# Allegro board PCIe3_0_X16_V1_0-166-20240802_20240828_pcb.brd (continued)
## Routing (per net, layer and track width the routed paths; a pad name or vN(x,y) marks a point on that pad's centre or on a via; arc(x,y) is an arc through that point) (continued)
FPGA_DDR4_1_CS_B: length 118.9
  TOP w0.201: R103.1 75.06,32.07 75.42,32.44 75.42,33.02 v1(74.92,33.53)
  TOP w0.229: U6.L7 v1(73.15,49.16) ; U7.L7 v1(73.15,36.58) ; U4.L7 v1(73.15,74.3) ; U5.L7 v1(73.15,86.87) ; U8.L7 v1(73.15,61.73) ; U1.K31 v1(98.32,75.23)
  ART05 w0.137: v1(74.92,33.53) 74.35,34.1 74.35,35.95 74.11,36.18 73.79,36.18 73.78,36.18 73.38,36.58 v1(73.15,36.58)
  ART05 w0.155: v1(98.32,75.23) 98.32,75.53 98.79,76 98.79,84.12 94.52,88.39 94.3,88.39 93.95,88.04 93.73,88.04 93.51,88.26 93.51,88.67 93.36,88.82 88.15,88.82 87.69,89.28 87.18,89.28 87.01,89.1 87.01,88.24 86.83,88.06 86.45,88.06 86.29,88.22 86.29,88.47 86.14,88.62 85.83,88.62 85.67,88.47 85.67,88.22 85.52,88.06 85.18,88.06 85,88.24 85,89.81 84.84,89.97 84.53,89.97 84.38,89.81 84.38,88.24 84.22,88.09 83.91,88.09 83.76,88.24 83.76,89.81 83.6,89.97 83.29,89.97 83.14,89.81 83.14,88.24 82.98,88.09 82.59,88.09 82.43,88.24 82.43,89.18 82.09,89.53 74.73,89.53 73.15,87.94 v1(73.15,86.87)
  ART12 w0.086: v1(73.15,36.58) U7.L7 73.55,43.01 75.12,44.59 75.12,45.22 75.03,45.3 74.99,45.3 74.91,45.39 74.91,45.56 74.99,45.65 75.03,45.65 75.12,45.73 75.12,45.91 75.03,45.99 74.99,45.99 74.91,46.08 74.91,46.25 74.99,46.34 75.03,46.34 75.12,46.42 75.12,47.71 74.87,47.96 74.62,47.96 74.35,48.23 74.35,48.48 74.07,48.76 73.55,48.76 v1(73.15,49.16) U6.L7 73.55,55.59 75.12,57.16 75.12,57.79 75.03,57.87 74.99,57.87 74.91,57.96 74.91,58.13 74.99,58.22 75.03,58.22 75.12,58.31 75.12,58.48 75.03,58.57 74.99,58.57 74.91,58.65 74.91,58.82 74.99,58.91 75.03,58.91 75.12,59 75.12,60.28 74.87,60.53 74.62,60.53 74.35,60.8 74.35,61.06 74.07,61.33 73.55,61.33 v1(73.15,61.73) U8.L7 73.55,68.16 75.12,69.73 75.12,70.36 75.03,70.45 74.99,70.45 74.91,70.53 74.91,70.71 74.99,70.79 75.03,70.79 75.12,70.88 75.12,71.05 75.03,71.14 74.99,71.14 74.91,71.22 74.91,71.4 74.99,71.48 75.03,71.48 75.12,71.57 75.12,72.86 74.87,73.1 74.62,73.1 74.35,73.37 74.35,73.63 74.07,73.9 73.55,73.9 v1(73.15,74.3) U4.L7 73.55,80.73 75.12,82.31 75.12,82.93 75.03,83.02 74.99,83.02 74.91,83.11 74.91,83.28 74.99,83.37 75.03,83.37 75.12,83.45 75.12,83.62 75.03,83.71 74.99,83.71 74.91,83.8 74.91,83.97 74.99,84.06 75.03,84.06 75.12,84.14 75.12,85.43 74.87,85.67 74.62,85.67 74.35,85.95 74.35,86.2 74.07,86.47 73.55,86.47 v1(73.15,86.87)
FPGA_DDR4_1_DQ0: length 23.8
  TOP w0.201: U4.G2 v1(77.15,79.1) ; U1.B27 v1(90.32,71.23)
  ART05 w0.137: v1(90.32,71.23) 90.32,71.54 89.77,72.09 89.77,72.42 89.44,72.75 88.2,72.75 88.01,72.94 88.01,73.2 88.15,73.33 88.72,73.33 88.86,73.47 88.86,73.74 88.72,73.88 88.15,73.88 88.01,74.02 88.01,74.29 88.15,74.43 89.08,74.43 89.22,74.57 89.22,74.84 89.08,74.98 88.15,74.98 88.01,75.12 88.01,76.24 84.75,79.5 77.73,79.5 77.33,79.1 v1(77.15,79.1)
FPGA_DDR4_1_DQ1: length 21
  TOP w0.201: U1.D23 v1(92.32,67.23) ; U4.F7 v1(77.95,74.3)
  ART05 w0.137: v1(92.32,67.23) 92.32,67.51 92.09,67.74 89.14,67.74 88.89,68 86.8,68 83.92,70.87 83.92,71.18 83.65,71.46 83.34,71.46 83.15,71.65 83.15,71.84 83.28,71.98 83.28,72.17 83.09,72.37 82.9,72.37 82.76,72.23 82.57,72.23 82.38,72.42 82.38,73.74 82.22,73.9 81.67,73.9 81.48,74.09 81.12,74.09 80.93,73.9 80.18,73.9 79.95,74.14 79.95,74.52 79.74,74.73 78.37,74.73 v1(77.95,74.3)
FPGA_DDR4_1_DQ2: length 23.8
  TOP w0.201: U4.H3 v1(76.35,78.3) ; U1.C26 v1(91.32,70.23)
  ART05 w0.137: v1(91.32,70.23) 91.32,70.26 90.79,70.79 90.03,70.79 89.77,71.04 89.77,71.42 89.52,71.68 88.53,71.68 87.54,72.67 87.54,75.72 86.17,77.08 85.98,77.08 85.73,76.83 85.53,76.83 85.34,77.03 85.34,77.22 85.59,77.47 85.59,77.67 85.4,77.86 85.2,77.86 84.95,77.61 84.76,77.61 84.56,77.8 84.56,78 84.81,78.25 84.81,78.44 84.56,78.7 76.75,78.7 v1(76.35,78.3)
FPGA_DDR4_1_DQ3: length 21.9
  TOP w0.201: U4.H7 v1(76.35,74.3) ; U1.B24 v1(90.32,68.23)
  ART05 w0.137: v1(76.35,74.3) 76.35,74.04 76.48,73.9 77.31,73.9 77.54,74.14 77.54,74.49 78.24,75.18 80.17,75.18 80.76,74.6 82.1,74.6 83.2,73.51 83.63,72.47 84.49,71.61 84.49,71.41 84.35,71.28 84.35,71.08 84.55,70.89 84.74,70.89 84.88,71.02 85.07,71.02 85.26,70.83 85.26,70.64 85.13,70.5 85.13,70.31 85.32,70.11 85.52,70.11 85.65,70.25 85.85,70.25 86.04,70.05 86.04,69.86 85.9,69.72 85.9,69.53 86.1,69.34 86.29,69.34 86.43,69.47 86.62,69.47 86.82,69.28 86.82,69.08 86.68,68.95 86.68,68.75 86.87,68.56 87.07,68.56 87.2,68.7 87.4,68.7 87.64,68.45 89.06,68.45 89.29,68.23 v1(90.32,68.23)
FPGA_DDR4_1_DQ4: length 23.7
  TOP w0.201: U1.C27 v1(91.32,71.23) ; U4.H2 v1(76.35,79.1)
  ART05 w0.137: v1(91.32,71.23) 91.64,71.23 91.86,71.45 91.86,73.56 91.65,73.76 89.86,73.76 89.72,73.9 89.72,75.13 84.54,80.31 82.41,80.31 82.38,80.34 77.93,80.34 77.72,80.25 77.6,80.13 77.54,80 77.54,79.81 77.49,79.68 77.36,79.55 77.24,79.5 76.94,79.5 76.69,79.33 v1(76.35,79.1)
FPGA_DDR4_1_DQ5: length 21.7
  TOP w0.201: U4.H8 v1(76.35,73.5) ; U1.C23 v1(91.32,67.23)
  ART05 w0.137: v1(76.35,73.5) 76.75,73.1 76.75,71.83 77,71.58 77.5,71.58 77.64,71.71 77.64,72.02 77.77,72.16 78.05,72.16 78.19,72.02 78.19,71.71 78.32,71.58 80.99,71.58 81.13,71.43 81.33,71.43 81.55,71.66 81.74,71.66 81.94,71.46 81.94,71.27 81.71,71.04 81.71,70.85 85.58,66.98 88.89,66.98 89.14,66.73 90.82,66.73 v1(91.32,67.23)
FPGA_DDR4_1_DQ6: length 23.8
  TOP w0.127: U1.B26 v1(90.32,70.23)
  TOP w0.201: U4.J3 v1(74.75,78.3)
  ART05 w0.137: v1(74.75,78.3) 75.35,77.7 75.77,77.7 75.97,77.9 83.42,77.9 84.97,76.35 86.22,76.35 87.11,75.46 87.11,73.76 86.97,73.62 86.28,73.62 86.14,73.48 86.14,73.21 86.28,73.07 86.97,73.07 87.11,72.93 87.11,72.39 88.77,70.73 89.71,70.73 90.21,70.23 v1(90.32,70.23)
FPGA_DDR4_1_DQ7: length 21.4
  TOP w0.127: U1.C24 v1(91.32,68.23)
  TOP w0.201: U4.J7 v1(74.75,74.3)
  ART05 w0.137: v1(74.75,74.3) 75.88,74.64 76.16,74.7 76.54,74.7 77.63,75.15 78.12,75.64 81.73,75.64 82.32,75.4 83.53,74.19 83.8,73.54 84.12,72.76 87.97,68.91 88.95,68.91 89.39,68.73 90.28,68.73 91.06,68.4 v1(91.32,68.23)
FPGA_DDR4_1_DQ8: length 21.9
  TOP w0.201: U4.A3 v1(81.95,78.3) ; U1.E26 v1(93.32,70.23)
  ART03 w0.137: v1(81.95,78.3) 82.85,78.3 83.53,77.62 83.72,77.62 83.96,77.86 84.15,77.86 84.35,77.66 84.35,77.47 84.11,77.23 84.11,77.04 84.31,76.84 84.5,76.84 84.74,77.08 84.93,77.08 85.12,76.89 85.12,76.69 84.89,76.45 84.89,76.26 85.08,76.07 85.28,76.07 85.51,76.3 85.71,76.3 85.9,76.11 85.9,75.92 85.66,75.68 85.66,75.48 85.86,75.29 86.05,75.29 86.29,75.53 86.48,75.53 86.68,75.33 86.68,75.14 86.44,74.9 86.44,74.71 86.63,74.51 86.83,74.51 87.07,74.75 87.26,74.75 87.45,74.56 87.45,74.36 87.22,74.13 87.22,73.93 87.41,73.74 87.6,73.74 87.84,73.98 88.04,73.98 88.23,73.78 88.23,73.59 87.97,73.32 87.97,73.13 88.4,72.69 89.52,72.69 89.9,72.31 89.9,71.93 90.16,71.68 91.55,71.68 91.81,71.42 91.81,71.04 92.06,70.79 92.57,70.79 93.13,70.23 v1(93.32,70.23)
FPGA_DDR4_1_DQ9: length 21.9
  TOP w0.201: U1.F24 v1(94.32,68.23) ; U4.B8 v1(81.15,73.5)
  ART03 w0.137: v1(81.15,73.5) 80.88,74.13 80.88,74.6 80.63,74.85 80.63,75.21 80.99,75.56 82.08,75.56 84.06,73.58 84.06,73.08 89.88,67.26 89.88,67.03 90.13,66.78 92.49,66.78 92.82,67.11 92.82,67.49 93.08,67.74 93.84,67.74 94.32,68.22 v1(94.32,68.23)
FPGA_DDR4_1_DQ10: length 22.2
  TOP w0.201: U1.G25 v1(95.32,69.23) ; U4.C3 v1(80.35,78.3)
  ART03 w0.137: v1(95.32,69.23) 95.27,69.23 94.85,69.65 94.22,69.65 93.84,70.03 93.84,70.54 93.58,70.79 93.08,70.79 92.82,71.04 92.82,71.42 92.57,71.68 92.19,71.68 91.81,72.06 91.81,72.44 91.55,72.69 90.16,72.69 89.77,73.08 89.77,73.46 89.32,73.91 88.74,73.91 88.41,74.23 88.41,74.43 88.67,74.68 88.67,74.87 88.47,75.06 88.28,75.06 88.03,74.81 87.83,74.81 83.95,78.7 80.92,78.7 80.52,78.3 v1(80.35,78.3)
FPGA_DDR4_1_DQ11: length 22
  TOP w0.201: U4.C7 v1(80.35,74.3) ; U1.G24 v1(95.32,68.23)
  ART03 w0.137: v1(80.35,74.3) 80.25,74.4 80.25,75.41 80.86,76.02 82.34,76.02 85.02,73.34 85.02,72.8 90.08,67.74 92.24,67.74 93.25,68.76 94.29,68.76 94.92,68.5 v1(95.32,68.23)
FPGA_DDR4_1_DQ12: length 22.6
  TOP w0.201: U1.F27 v1(94.32,71.23) ; U4.C2 v1(80.35,79.1)
  ART03 w0.137: v1(80.35,79.1) 80.35,79.28 80.75,79.68 80.75,80.1 81.11,80.47 82.13,80.47 82.61,79.98 83.1,79.98 83.24,80.12 83.24,80.48 83.37,80.62 83.65,80.62 83.79,80.48 83.79,80.12 83.92,79.98 84.85,79.98 85.54,79.29 85.54,79.1 85.32,78.89 85.32,78.69 85.52,78.5 85.71,78.5 85.93,78.71 86.12,78.71 90.1,74.73 91.55,74.73 91.81,74.47 91.81,74.09 92.19,73.71 92.57,73.71 92.82,73.46 92.82,73.08 93.2,72.69 93.46,72.69 93.84,72.31 93.84,71.68 94.29,71.23 v1(94.32,71.23)
FPGA_DDR4_1_DQ13: length 21.3
  TOP w0.201: U4.C8 v1(80.35,73.5) ; U1.E25 v1(93.32,69.23)
  ART03 w0.137: v1(93.32,69.23) 92.47,68.38 91.81,68.38 91.43,68.76 90.03,68.76 89.77,69.01 89.77,69.39 89.44,69.72 89.11,69.72 88.82,70.02 88.71,70.29 82.53,76.47 80.7,76.47 79.95,75.72 U4.C8 v1(80.35,73.5)
FPGA_DDR4_1_DQ14: length 23
  TOP w0.201: U1.E27 v1(93.32,71.23) ; U4.D3 v1(79.55,78.3)
  ART03 w0.137: v1(79.55,78.3) 79.95,78.7 80.51,78.7 80.74,78.94 80.75,78.94 80.75,79.26 80.75,79.27 80.98,79.5 80.99,79.5 80.99,79.5 82.4,79.5 82.54,79.37 82.54,79.28 82.68,79.15 82.95,79.15 83.09,79.28 83.09,79.37 83.22,79.5 83.83,79.5 85.5,77.83 85.69,77.83 85.91,78.05 86.1,78.05 86.29,77.85 86.29,77.66 86.08,77.45 86.08,77.25 86.27,77.06 86.47,77.06 86.68,77.27 86.88,77.27 87.07,77.08 87.07,76.88 86.86,76.67 86.86,76.48 87.05,76.28 87.25,76.28 87.46,76.49 87.65,76.49 87.85,76.3 87.85,76.11 87.63,75.89 87.63,75.7 87.83,75.51 88.02,75.51 88.23,75.72 88.43,75.72 89.75,74.4 89.75,74.12 90.14,73.73 91.53,73.73 91.81,73.46 91.81,73.16 92.15,72.81 92.45,72.81 92.82,72.44 92.82,71.93 93.32,71.43 v1(93.32,71.23)
FPGA_DDR4_1_DQ15: length 22
  TOP w0.201: U4.D7 v1(79.55,74.3) ; U1.F25 v1(94.32,69.23)
  ART03 w0.137: v1(79.55,74.3) 79.55,75.93 80.53,76.91 82.71,76.91 88.52,71.1 89.44,70.72 89.79,70.36 89.96,69.97 90.04,69.89 90.32,69.77 91.12,69.77 91.55,69.6 91.72,69.43 91.87,69.08 92.14,68.81 92.49,68.81 92.76,69.07 92.88,69.38 93.09,69.59 93.24,69.65 93.42,69.65 93.88,69.46 93.95,69.38 v1(94.32,69.23)
FPGA_DDR4_1_DQ16: length 40.8
  TOP w0.201: U1.K25 v1(98.32,69.23) ; U5.G2 v1(77.15,91.67)
  ART12 w0.137: v1(98.32,69.23) 98.32,69.48 97.78,70.03 97.78,71.55 97.52,71.81 97.14,71.81 96.76,72.19 96.76,72.44 96.51,72.69 96.12,72.69 95.87,72.95 95.87,73.46 95.62,73.71 95.11,73.71 94.85,73.96 94.85,74.47 94.6,74.73 90.16,74.73 88.81,76.07 87.74,78.65 87.74,83.91 87.61,84.24 87.68,84.41 87.9,84.51 87.97,84.68 87.87,84.94 87.69,85.01 87.47,84.92 87.29,85 87.19,85.25 87.26,85.43 87.48,85.52 87.55,85.7 87.45,85.95 87.27,86.03 87.05,85.94 86.87,86.01 86.77,86.26 86.84,86.44 87.06,86.53 87.13,86.71 87.03,86.97 86.85,87.04 86.63,86.95 86.45,87.02 85.92,88.31 82.15,92.07 77.66,92.07 77.26,91.67 v1(77.15,91.67)
FPGA_DDR4_1_DQ17: length 38.6
  TOP w0.201: U5.F7 v1(77.95,86.87) ; U1.G26 v1(95.32,70.23)
  ART12 w0.137: v1(77.95,86.87) 77.82,87 77.82,88 77.68,88.14 77.24,88.14 77.1,88.28 77.1,88.55 77.24,88.69 77.68,88.69 77.82,88.83 77.82,89.24 78.29,89.71 81.8,89.71 82.45,89.06 82.45,88.87 82.35,88.77 82.35,88.58 82.54,88.38 82.74,88.38 82.84,88.48 83.03,88.48 83.15,88.36 85.58,82.49 85.58,78.1 86.4,76.12 86.33,75.94 86,75.8 85.92,75.63 86.03,75.37 86.21,75.3 86.54,75.44 86.72,75.36 88.03,72.2 87.95,72.02 87.73,71.93 87.65,71.75 87.76,71.5 87.94,71.42 88.16,71.52 88.34,71.44 88.54,70.95 88.83,70.66 94.85,70.66 95.29,70.23 v1(95.32,70.23)
FPGA_DDR4_1_DQ18: length 40.6
  TOP w0.201: U5.H3 v1(76.35,90.87) ; U1.J26 v1(97.32,70.23)
  ART12 w0.137: v1(97.32,70.23) 97.32,70.48 96.89,70.92 96.89,71.42 96.63,71.68 96,71.68 95.74,71.93 95.74,72.44 95.49,72.69 95.24,72.69 94.85,73.08 94.85,73.33 94.47,73.71 90.21,73.71 88.21,75.71 87.08,78.43 87.08,82.88 86.9,83.33 86.97,83.51 87.21,83.61 87.29,83.79 87.18,84.04 87,84.11 86.76,84.01 86.58,84.09 86.48,84.34 86.55,84.52 86.79,84.62 86.86,84.8 86.76,85.05 86.58,85.13 86.34,85.03 86.16,85.1 86.06,85.36 86.13,85.54 86.37,85.63 86.44,85.81 86.34,86.07 86.16,86.14 85.92,86.04 85.74,86.12 85.64,86.37 85.71,86.55 85.95,86.65 86.02,86.83 85.92,87.08 85.74,87.16 85.5,87.06 85.32,87.13 85.22,87.38 85.29,87.56 85.53,87.66 85.6,87.84 85.5,88.1 85.32,88.17 85.08,88.07 84.9,88.14 84.5,89.12 82.35,91.27 76.75,91.27 v1(76.35,90.87)
FPGA_DDR4_1_DQ19: length 41.4
  TOP w0.201: U1.J24 v1(97.32,67.23) ; U5.H7 v1(76.35,86.87)
  ART12 w0.137: v1(76.35,86.87) 76.74,86.48 77.39,86.48 77.55,86.32 77.55,85.05 77.96,84.63 82,84.63 82.35,84.29 82.48,83.97 82.4,83.79 82.08,83.66 82.01,83.48 82.12,83.23 82.29,83.15 82.61,83.29 82.79,83.21 82.9,82.96 82.82,82.78 82.5,82.65 82.43,82.47 82.54,82.21 82.71,82.14 83.03,82.27 83.21,82.2 83.3,82 83.3,75.57 83.62,74.78 83.55,74.61 83.31,74.51 83.24,74.33 83.34,74.07 83.52,74 83.76,74.1 83.94,74.02 84.05,73.77 83.97,73.59 83.73,73.49 83.66,73.31 83.76,73.06 83.94,72.98 84.18,73.08 84.36,73.01 84.47,72.76 84.39,72.58 84.15,72.48 84.08,72.3 84.18,72.04 84.36,71.97 84.6,72.07 84.78,72 85.24,70.88 88.38,67.74 95.49,67.74 95.87,67.36 95.87,66.98 96.12,66.73 96.82,66.73 v1(97.32,67.23)
FPGA_DDR4_1_DQ20: length 40.7
  TOP w0.201: U5.H2 v1(76.35,91.67) ; U1.K26 v1(98.32,70.23)
  ART12 w0.137: v1(76.35,91.67) 76.67,92.16 76.75,92.34 76.75,92.58 76.81,92.72 76.94,92.85 77.08,92.91 82.15,92.91 87.24,87.83 88.61,84.53 88.61,83.99 88.47,83.85 88.44,83.85 88.3,83.71 88.3,83.44 88.44,83.3 88.47,83.3 88.61,83.16 88.61,82.89 88.47,82.75 88.44,82.75 88.3,82.62 88.3,82.34 88.44,82.2 88.47,82.2 88.61,82.07 88.61,81.79 88.47,81.66 88.44,81.66 88.3,81.52 88.3,81.24 88.44,81.11 88.47,81.11 88.61,80.97 88.61,80.7 88.43,80.52 88.43,80.02 88.61,79.84 88.61,77.67 88.87,77.03 89.04,76.86 89.34,76.73 89.55,76.73 89.8,76.48 89.8,76 90.05,75.74 94.33,75.74 94.49,75.67 94.71,75.45 94.85,75.11 95.19,74.77 95.54,74.63 95.7,74.46 95.85,74.11 96.13,73.84 96.43,73.71 96.76,73.38 96.89,73.08 97.12,72.84 97.47,72.69 97.77,72.4 98.32,71.06 v1(98.32,70.23)
FPGA_DDR4_1_DQ21: length 40.6
  TOP w0.201: U1.J23 v1(97.32,66.23) ; U5.H8 v1(76.35,86.07)
  ART12 w0.137: v1(76.35,86.07) 76.39,86.07 76.75,85.72 76.75,85.04 77.68,84.1 80.6,84.1 80.87,83.83 80.99,83.54 80.92,83.36 80.33,83.12 80.25,82.94 80.36,82.68 80.54,82.61 81.18,82.88 81.36,82.8 81.47,82.55 81.39,82.37 80.75,82.1 80.67,81.92 80.78,81.67 80.96,81.6 81.6,81.86 81.78,81.79 81.89,81.53 81.81,81.36 81.17,81.09 81.09,80.91 81.2,80.66 81.38,80.58 82.02,80.85 82.2,80.77 82.56,79.91 82.76,79.71 82.76,74.15 83.96,71.27 88.5,66.73 95.62,66.73 96,66.34 97.2,66.34 v1(97.32,66.23)
FPGA_DDR4_1_DQ22: length 38.9
  TOP w0.127: U1.G27 v1(95.32,71.23)
  TOP w0.201: U5.J3 v1(74.75,90.87)
  ART12 w0.137: v1(95.32,71.23) 95.32,71.59 94.85,72.06 94.85,72.44 94.6,72.69 90.05,72.69 89.77,72.97 89.77,73.46 89.46,73.77 88.64,73.77 88.29,74.13 86.52,78.39 86.52,82.84 84.03,88.85 82.41,90.47 76.8,90.47 76.67,90.34 76.67,89.77 76.5,89.61 76.26,89.61 76.12,89.75 76.12,90.34 75.98,90.47 75.71,90.47 75.57,90.34 75.57,89.77 75.41,89.61 75.16,89.61 75.02,89.75 75.02,90.34 74.75,90.61 v1(74.75,90.87)
FPGA_DDR4_1_DQ23: length 40.8
  TOP w0.127: U1.J25 v1(97.32,69.23)
  TOP w0.201: U5.J7 v1(74.75,86.87)
  ART12 w0.137: v1(97.32,69.23) 97.04,69.65 96.99,69.73 96.7,70.44 96.54,70.6 96.14,70.76 95.31,70.76 95.1,70.85 94.85,71.09 94.71,71.44 94.56,71.59 94.35,71.68 90.23,71.68 89.77,72.14 89.77,72.42 89.39,72.8 88.48,72.8 88.09,73.18 86.09,78.02 86.09,82.64 83.6,88.64 82.15,90.09 77.97,90.09 76.82,88.95 75.04,88.95 74.75,88.65 v1(74.75,86.87)
FPGA_DDR4_1_DQ24: length 44.5
  TOP w0.201: U1.N24 v1(101.32,68.23) ; U5.A3 v1(81.95,90.87)
  ART10 w0.137: v1(81.95,90.87) 82.04,90.78 82.39,90.78 82.53,90.92 82.53,91.38 82.67,91.52 82.94,91.52 83.08,91.38 83.08,90.92 83.22,90.78 83.49,90.78 83.63,90.92 83.63,91.18 83.77,91.31 84.04,91.31 84.18,91.18 84.18,90.92 84.31,90.78 85.63,90.78 91.88,88.19 96.32,88.19 97.14,87.38 99.86,87.38 101.52,85.72 102.62,83.05 102.92,82.75 103.52,82.75 103.74,82.52 103.74,70.92 103.62,70.79 103.11,70.79 102.86,70.54 102.86,69.14 102.47,68.76 101.84,68.76 101.32,68.24 v1(101.32,68.23)
FPGA_DDR4_1_DQ25: length 44.5
  TOP w0.201: U1.L25 v1(99.32,69.23) ; U5.B8 v1(81.15,86.07)
  ART10 w0.137: v1(81.15,86.07) 81.35,86.07 81.75,85.67 82.49,85.67 82.63,85.81 82.63,86.17 82.76,86.31 83.04,86.31 83.17,86.17 83.17,85.48 83.31,85.34 83.59,85.34 83.72,85.48 83.72,86.17 83.86,86.31 84.13,86.31 84.27,86.17 84.27,85.53 84.41,85.39 84.68,85.39 84.82,85.53 84.82,86.17 84.96,86.31 85.23,86.31 85.37,86.17 85.37,85.23 85.53,85.07 85.72,85.07 86.14,85.49 86.33,85.49 86.52,85.29 86.52,85.1 86.11,84.68 86.11,84.49 86.3,84.29 86.5,84.29 86.91,84.71 87.11,84.71 87.3,84.52 87.3,84.32 86.89,83.91 86.89,83.71 87.08,83.52 87.27,83.52 87.69,83.93 87.88,83.93 88.08,83.74 88.08,83.55 87.66,83.13 87.66,82.94 87.86,82.74 88.05,82.74 88.88,83.58 89.08,83.58 89.27,83.38 89.27,83.19 88.44,82.35 88.44,82.16 88.81,81.79 98.49,81.79 98.82,81.45 98.82,70 99.32,69.5 v1(99.32,69.23)
FPGA_DDR4_1_DQ26: length 44.5
  TOP w0.201: U1.N26 v1(101.32,70.23) ; U5.C3 v1(80.35,90.87)
  ART10 w0.137: v1(101.32,70.23) 101.7,70.23 101.84,70.37 101.84,79.83 101.3,80.38 101.3,83.36 arc(101.25,83.85) 101.1,84.33 arc(100.87,84.75) 100.56,85.12 99.93,85.75 99.78,85.75 99.65,85.89 99.65,86.15 99.51,86.28 99.24,86.28 99.1,86.15 99.1,85.89 98.96,85.75 98.69,85.75 98.55,85.89 98.55,86.38 98.41,86.51 98.14,86.51 98,86.38 98,85.89 97.86,85.75 96.61,85.75 96.47,85.89 96.47,86.35 96.33,86.49 96.06,86.49 95.92,86.35 95.92,85.92 95.78,85.79 94.21,85.79 94.08,85.84 94.01,86.02 94.05,86.12 93.97,86.3 93.72,86.4 93.54,86.33 93.32,85.79 93.14,85.71 92.88,85.82 92.81,86 93.03,86.54 92.96,86.72 86.88,89.24 86.7,89.16 86.63,89 86.45,88.93 86.2,89.04 86.12,89.21 86.19,89.37 86.12,89.55 85.73,89.71 82.59,89.71 82.33,89.97 80.6,89.97 80.35,90.22 v1(80.35,90.87)
FPGA_DDR4_1_DQ27: length 44.6
  TOP w0.201: U1.L24 v1(99.32,68.23) ; U5.C7 v1(80.35,86.87)
  ART10 w0.137: v1(80.35,86.87) 80.39,86.87 80.75,86.51 80.75,85.91 80.98,85.67 81.31,85.67 81.55,85.44 81.55,84.83 81.86,84.51 82.06,84.51 82.55,85.01 82.75,85.01 82.94,84.81 82.94,84.62 82.44,84.12 82.44,83.93 82.93,83.44 83.24,83.44 83.38,83.58 83.38,84.78 83.51,84.91 83.79,84.91 83.93,84.78 83.93,83.39 84.06,83.26 84.34,83.26 84.47,83.39 84.47,84.78 84.61,84.91 84.89,84.91 85.02,84.78 85.02,83.39 85.16,83.26 85.43,83.26 85.57,83.39 85.57,83.84 85.71,83.97 85.98,83.97 86.12,83.84 86.12,83.18 86.95,82.35 87.14,82.35 87.24,82.45 87.44,82.45 87.63,82.26 87.63,82.06 87.53,81.96 87.53,81.77 87.73,81.58 87.92,81.58 88.02,81.67 88.21,81.67 88.41,81.48 88.41,81.29 88.31,81.19 88.31,80.99 88.55,80.75 89.57,80.75 89.77,80.54 89.77,79.04 90.03,78.79 92.61,78.79 92.84,78.56 92.84,78.03 93.17,77.7 97.56,77.7 97.78,77.48 97.78,71.57 arc(97.81,71.48) 97.91,71.44 arc(98,71.4) 98.04,71.31 98.04,71.03 arc(98,70.93) 97.91,70.89 arc(97.81,70.85) 97.78,70.76 97.78,70.03 98.03,69.77 98.54,69.77 98.79,69.52 98.79,69.01 99.32,68.48 v1(99.32,68.23)
FPGA_DDR4_1_DQ28: length 44.9
  TOP w0.201: U1.P24 v1(102.32,68.23) ; U5.C2 v1(80.35,91.67)
  ART10 w0.137: v1(80.35,91.67) 80.8,91.98 80.91,92.02 81.03,92.07 83.81,92.07 91.83,88.75 97.79,88.75 100.53,87.62 104.76,83.39 104.76,71.19 104.67,70.98 104.56,70.86 104.21,70.72 103.97,70.48 103.87,70.25 103.87,69.45 103.69,69.01 103.52,68.84 102.78,68.53 v1(102.32,68.23)
FPGA_DDR4_1_DQ29: length 42.3
  TOP w0.201: U1.L23 v1(99.32,67.23) ; U5.C8 v1(80.35,86.07)
  ART10 w0.137: v1(99.32,67.23) 98.79,67.76 98.79,68.5 98.54,68.76 98.03,68.76 97.78,69.01 97.78,69.52 97.52,69.77 97.14,69.77 96.89,70.03 96.89,76.38 96.51,76.76 90.16,76.76 89.9,77.01 89.9,78.28 89.46,78.73 87.98,78.73 87.69,79.02 87.69,79.22 88.47,80 88.47,80.19 88.28,80.39 88.08,80.39 87.3,79.6 87.11,79.6 86.91,79.8 86.91,79.99 87.7,80.78 87.7,80.97 87.5,81.16 87.31,81.16 86.52,80.38 86.33,80.38 86.14,80.58 86.14,80.77 86.92,81.55 86.92,81.75 86.73,81.94 86.53,81.94 85.91,81.32 85.72,81.32 85.52,81.52 85.52,81.71 86.14,82.33 86.14,82.52 85.95,82.72 83.02,82.72 80.75,84.99 80.75,85.44 80.35,85.84 v1(80.35,86.07)
FPGA_DDR4_1_DQ30: length 44.7
  TOP w0.201: U5.D3 v1(79.55,90.87) ; U1.M26 v1(100.32,70.23)
  ART10 w0.137: v1(79.55,90.87) 79.55,90.29 80.25,89.59 82.05,89.59 83.22,88.42 83.61,88.42 83.75,88.55 83.75,89.12 83.89,89.26 84.16,89.26 84.3,89.12 84.3,88.55 84.43,88.42 84.71,88.42 84.85,88.55 84.85,89.12 84.98,89.26 85.26,89.26 85.39,89.12 85.39,88.55 85.53,88.42 86.46,88.42 86.6,88.28 86.6,87.82 86.74,87.68 87.01,87.68 87.15,87.82 87.15,88.28 87.29,88.42 87.59,88.42 89.65,87.56 89.73,87.39 89.61,87.11 89.69,86.93 89.94,86.82 90.12,86.9 90.23,87.18 90.41,87.25 92.05,86.57 92.31,86.31 92.31,85.52 92.59,85.24 99.83,85.24 100.27,84.8 arc(100.5,84.53) 100.67,84.22 arc(100.78,83.85) 100.82,83.47 100.82,70.42 100.63,70.23 v1(100.32,70.23)
FPGA_DDR4_1_DQ31: length 44.2
  TOP w0.201: U1.K23 v1(98.32,67.23) ; U5.D7 v1(79.55,86.87)
  ART10 w0.137: v1(79.55,86.87) 79.62,86.87 79.95,86.55 79.95,84.63 83.77,80.8 83.97,80.8 84.55,81.38 84.74,81.38 84.94,81.19 84.94,81 84.36,80.41 84.36,80.22 84.55,80.03 84.74,80.03 85.33,80.61 85.52,80.61 85.71,80.41 85.71,80.22 85.13,79.64 85.13,79.44 85.33,79.25 85.52,79.25 86.1,79.83 86.3,79.83 86.49,79.64 86.49,79.44 85.91,78.86 85.91,78.67 86.1,78.47 86.3,78.47 86.88,79.05 87.07,79.05 87.27,78.86 87.27,78.67 86.69,78.09 86.69,77.89 86.88,77.7 87.07,77.7 87.65,78.28 87.85,78.28 88.04,78.08 88.04,77.89 87.46,77.31 87.46,77.12 87.82,76.76 88.2,76.76 88.34,76.9 88.34,77.46 88.48,77.6 88.75,77.6 88.89,77.46 88.89,76.9 89.02,76.76 89.65,76.76 89.9,76.5 89.9,76 90.16,75.74 95.62,75.74 95.87,75.49 95.87,70.03 96.12,69.77 96.51,69.77 96.76,69.52 96.76,69.01 97.01,68.76 97.39,68.76 97.78,68.38 97.78,68 98.32,67.45 v1(98.32,67.23)
FPGA_DDR4_1_DQ32: length 28.4
  TOP w0.201: U6.G2 v1(77.15,53.96) ; U1.B22 v1(90.32,66.23)
  ART05 w0.137: v1(90.32,66.23) 89.8,65.71 87.34,65.71 86.84,65.22 86.65,65.22 86.17,65.7 85.98,65.7 85.78,65.5 85.78,65.31 86.26,64.83 86.26,64.63 86.07,64.44 85.87,64.44 85.39,64.92 85.2,64.92 85,64.72 85,64.53 85.48,64.05 85.48,63.86 85.29,63.66 85.1,63.66 84.62,64.14 84.42,64.14 84.23,63.95 84.23,63.75 84.71,63.28 84.71,63.08 84.51,62.89 84.32,62.89 83.84,63.37 83.65,63.37 83.45,63.17 83.45,62.98 83.93,62.5 83.93,62.31 83.74,62.11 83.54,62.11 83.06,62.59 82.87,62.59 82.68,62.4 82.68,62.2 83.16,61.72 83.16,61.53 82.46,60.83 82.46,60.05 77.55,55.13 77.55,54.36 v1(77.15,53.96)
FPGA_DDR4_1_DQ33: length 28.5
  TOP w0.201: U6.F7 v1(77.95,49.16) ; U1.C19 v1(91.32,62.23)
  ART05 w0.137: v1(91.32,62.23) 91.32,62.05 90.79,61.52 90.79,61.01 90.54,60.76 90.03,60.76 89.52,60.25 87.84,60.25 86.68,59.08 86.68,58.63 86.81,58.49 87.2,58.49 87.34,58.35 87.34,58.08 87.2,57.94 86.81,57.94 86.68,57.81 86.68,57.53 86.81,57.39 87.2,57.39 87.34,57.26 87.34,56.98 87.2,56.85 86.81,56.85 86.68,56.71 86.68,56.43 86.81,56.3 87.2,56.3 87.34,56.16 87.34,55.89 87.2,55.75 86.81,55.75 86.68,55.61 86.68,53.76 85.74,51.49 82.21,47.96 78.55,47.96 78.34,48.16 78.34,48.76 v1(77.95,49.16)
FPGA_DDR4_1_DQ34: length 28.6
  TOP w0.201: U1.B19 v1(90.32,62.23) ; U6.H3 v1(76.35,53.16)
  ART05 w0.137: v1(90.32,62.23) 90,62.23 89.85,62.38 89.85,63.4 89.7,63.55 89.06,63.55 88.92,63.41 88.92,62.77 88.78,62.64 88.51,62.64 88.37,62.77 88.37,63.41 88.24,63.55 87.72,63.55 84.29,60.13 84.29,52.73 82.54,50.98 78.08,50.98 76.35,52.72 v1(76.35,53.16)
FPGA_DDR4_1_DQ35: length 26.7
  TOP w0.201: U6.H7 v1(76.35,49.16) ; U1.C18 v1(91.32,61.23)
  ART05 w0.137: v1(91.32,61.23) 91.32,61.03 90.03,59.74 88.5,59.74 87.92,59.16 87.92,55.55 86.07,51.08 82.13,47.14 78.59,47.14 78.34,47.39 78.34,47.72 78.11,47.95 77.78,47.95 77.55,48.19 77.55,48.52 77.31,48.76 76.85,48.76 76.45,49.16 v1(76.35,49.16)
FPGA_DDR4_1_DQ36: length 28.4
  TOP w0.201: U1.A22 v1(89.32,66.23) ; U6.H2 v1(76.35,53.96)
  ART05 w0.137: v1(89.32,66.23) 88.38,66.23 88.37,66.23 85.85,66.23 85.54,65.92 85.35,65.92 84.79,66.48 84.6,66.48 84.41,66.29 84.41,66.09 84.96,65.54 84.96,65.34 84.77,65.15 84.57,65.15 84.02,65.7 83.82,65.7 83.63,65.51 83.63,65.32 84.19,64.76 84.19,64.57 83.99,64.37 83.8,64.37 83.24,64.93 83.05,64.93 82.85,64.73 82.85,64.54 83.41,63.98 83.41,63.79 81.55,61.93 81.55,59.89 79.42,57.77 79.23,57.77 78.95,58.04 78.76,58.04 78.56,57.85 78.56,57.66 78.84,57.38 78.84,57.19 78.64,56.99 78.45,56.99 78.17,57.27 77.98,57.27 77.78,57.07 77.78,56.88 78.06,56.6 78.06,56.41 76.75,55.09 76.75,54.36 v1(76.35,53.96)
FPGA_DDR4_1_DQ37: length 26
  TOP w0.201: U6.H8 v1(76.35,48.36) ; U1.D18 v1(92.32,61.23)
  ART05 w0.137: v1(76.35,48.36) 76.8,48.05 77.04,47.95 77.31,47.95 77.55,47.72 77.55,47.36 77.95,46.95 78.65,46.66 82.26,46.66 86.45,50.85 89.63,58.54 v1(92.32,61.23)
FPGA_DDR4_1_DQ38: length 26.2
  TOP w0.127: U1.A19 v1(89.32,62.23)
  TOP w0.201: U6.J3 v1(74.75,53.16)
  ART05 w0.137: v1(74.75,53.16) 77.46,50.44 82.69,50.44 84.7,52.46 84.77,52.62 84.77,59.89 86.98,62.1 89.19,62.1 v1(89.32,62.23)
FPGA_DDR4_1_DQ39: length 26
  TOP w0.127: U1.A18 v1(89.32,61.23)
  TOP w0.201: U6.J7 v1(74.75,49.16)
  ART05 w0.137: v1(89.32,61.23) 87.25,61.23 85.28,59.26 85.28,52.71 85.04,52.14 82.46,49.56 75.97,49.56 75.83,49.69 75.83,50.18 75.69,50.32 75.42,50.32 75.28,50.18 75.28,49.69 v1(74.75,49.16)
FPGA_DDR4_1_DQ40: length 28.9
  TOP w0.201: U6.A3 v1(81.95,53.16) ; U1.E21 v1(93.32,65.23)
  ART03 w0.137: v1(81.95,53.16) 81.55,53.56 81.55,55.22 81.42,55.35 80.68,55.35 80.4,55.63 80.4,56.85 83.31,59.76 83.31,59.95 82.94,60.33 82.94,60.52 83.13,60.72 83.32,60.72 83.7,60.34 83.9,60.34 84.09,60.53 84.09,60.73 83.71,61.11 83.71,61.3 83.91,61.49 84.1,61.49 84.48,61.12 84.67,61.12 84.87,61.31 84.87,61.5 84.49,61.88 84.49,62.08 84.68,62.27 84.88,62.27 85.25,61.89 85.45,61.89 85.64,62.09 85.64,62.28 85.27,62.66 85.27,62.85 85.46,63.05 85.65,63.05 86.03,62.67 86.22,62.67 86.42,62.86 86.42,63.06 86.04,63.43 86.04,63.63 86.24,63.82 86.43,63.82 86.81,63.44 87,63.44 87.87,64.31 89.27,64.31 89.47,64.52 92.61,64.52 v1(93.32,65.23)